# KiCad board central-control-unit.kicad_pcb (continued)
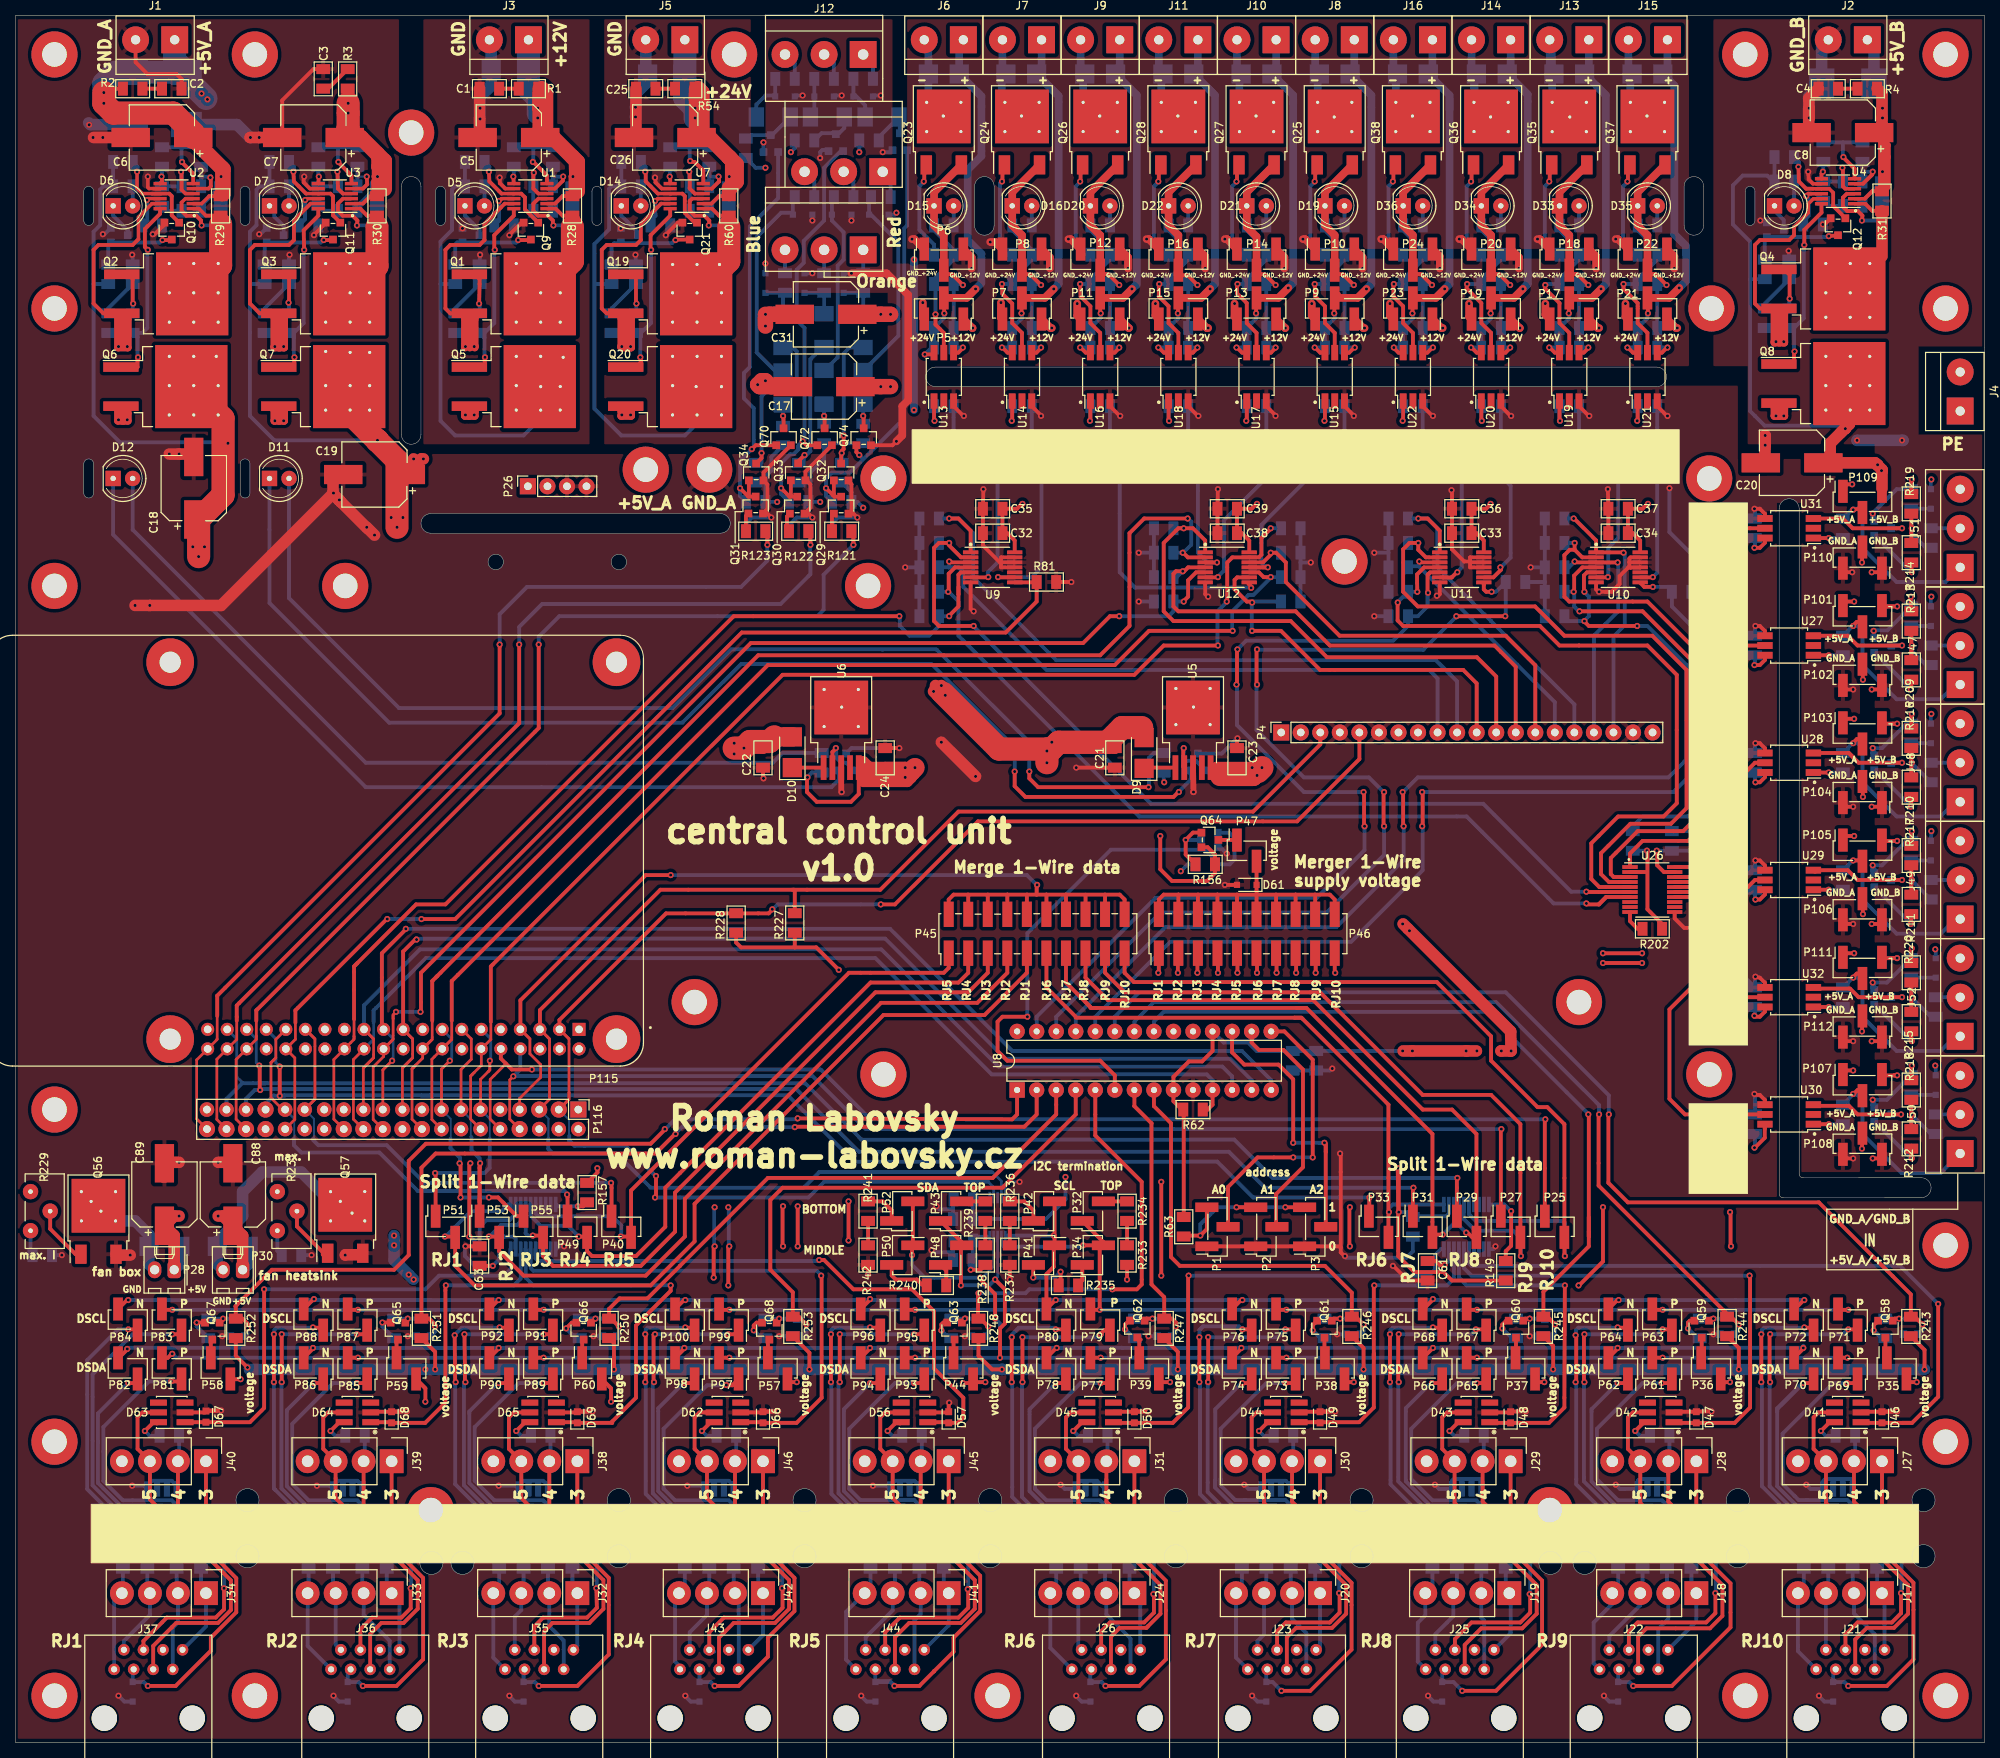
[diagram p0: board, top side]
## Routing (per net, layer and track width the routed paths; a pad name or vN(x,y) marks a point on that pad's centre or on a via; arc(x,y) is an arc through that point) (continued)
GND_B: length 240.2
  Top w0.45: U4.8 233.61,202.65
  Top w0.5: 233.61,202.65 233.05,203.21 v1(232.98,204.22) 233.05,204.22 ; 241.3,152.15 v1(241.24,152.15) 242.04,152.15 P110.1 ; P108.1 242.04,75.95 v1(241.36,75.95) 241.3,75.95 ; P106.1 242.04,106.43 v1(241.24,106.43) 241.3,106.43 ; 241.3,136.91 v1(241.24,136.91) 242.04,136.91 P102.1 ; P104.1 242.04,121.67 v1(241.24,121.67) 241.3,121.67 ; v1(234.89,197.36) 235.1,197.36 Q12.2 ; 241.3,91.19 v1(241.24,91.19) 242.04,91.19 P112.1
  Top w1.5: C8.2 233.05,209.68 233.05,212.47 ; 227.33,169.93 v1(227.39,169.93) v1(227.39,168.66) 227.33,167 227.08,166.75 ; 233.05,211.2 v1(233.11,211.2) v1(233.11,212.47) 233.05,213.74 C4.2
  GND.Cu w0.5: 241.3,106.43 242.57,106.43 243.12,106.98 ; 243.12,137.46 242.57,136.91 241.3,136.91 ; 243.12,91.27 243.04,91.19 241.3,91.19 ; 241.3,121.67 242.57,121.67 243.12,121.11 ; 243.12,75.39 242.57,75.95 241.3,75.95 ; 230.51,193.84 230.51,197.04 ; 243.12,152.7 242.57,152.15 241.3,152.15 ; 233.05,204.22 233.05,205.49
  GND.Cu w1: 226.81,197.86 226.8,197.82 227.74,196.88 227.74,196.82
  GND.Cu w1.5: 243.12,123.02 243.12,121.11 ; 243.12,123.02 243.12,141.91 ; 243.12,123.02 243.12,91.27 ; 243.12,161.12 243.12,163.5 245.11,165.48 245.11,169.29 ; 243.12,161.12 243.12,162.39 ; 243.12,161.12 243.12,141.91 ; 239.4,169.29 227.97,169.29 227.33,169.93 ; 227.33,169.93 227.33,168.66 227.33,169.29 ; 227.33,169.93 226.06,171.2 226.06,192.6 ; 243.12,141.91 243.12,148.35 243.12,145.1 ; 243.12,91.27 243.12,75.39 ; 243.12,91.27 243.12,90.63 ; 232.85,198.12 233.74,199.01 v1(234.89,197.36) ; 232.85,198.12 234.63,199.9 234.63,202.06 233.05,203.65 233.05,204.22 233.13,204.3 233.13,205.5 233.05,205.58 233.05,212.47 ; 232.85,198.12 231.55,196.82 227.74,196.82 226.06,195.14 226.06,192.6 ; 226.06,192.6 226.06,194.5
  Bottom w0.5: C16.2 v1(230.44,193.93) 230.51,193.84 ; 227.58,197.62 Q16.2 227.35,197.87 v1(226.76,197.87) 226.7,197.87 ; 234.95,197.23 234.95,197.42 v1(234.89,197.36)
  Bottom w1.5: 245.11,169.29 245.3,169.29 v1(239.33,169.29) 239.4,169.29 ; J2.2 234.73,220.5 D4.2 233.05,213.97 233.05,211.2
  vias: v1(245.17,169.29)
1WIRE_CELLAR_FIREPLACE_DATA_3V3: length 39.8
  Top w0.25: P51.1 54.61,69.05 ; 61.59,87.38 61.59,88.65
  Top w0.35: P116.11 60.45,86.23 61.44,87.22 ; v1(61.66,88.65) 61.66,87.44 61.44,87.22 ; 61.44,87.22 61.59,87.38
  Top w0.5: 54.61,74.04 v1(54.55,74.04) 54.61,73.98 P51.1
  Bottom w0.25: 61.72,91.55 60.55,92.72 ; 61.63,78.49 61.65,78.51 61.65,81.09 P116.11 61.63,81.12 ; 61.59,88.65 61.72,88.77
  Bottom w0.35: 61.79,88.69 61.79,91.48 60.55,92.72 61.7,91.57 ; v1(61.66,88.65) 61.7,88.69
  Bottom w0.5: 54.61,74.04 60.96,74.04 61.63,74.71 61.63,78.49
1WIRE_CELLAR_FIREPLACE_DATA_5V_CON: length 39.8
  Top w0.5: 21.59,37.04 J40.2 ; J40.2 21.12,30.69 22.8,29.02 v1(22.8,28.96) 22.86,28.96 ; J40.2 21.12,36.88 ; J37.4 16.64,13.21 19.69,16.26 26.03,16.26 27.11,17.34 v1(27.11,20.07) 27.16,20.07 ; 21.41,35.88 21.62,36.08
  Bottom w0.5: 22.86,28.96 27.16,24.66 27.16,20.07 ; R274.2 21.27,36.72 J40.2
1WIRE_CELLAR_FIREPLACE_GND_CON: length 49.5
  Top w0.5: J40.3 15.88,38.19 15.88,42.29 16.51,42.93 D63.5 ; J40.3 16.51,37.55 ; J40.3 17.48,31.61 28.01,21.09 28.01,17.24 26.32,15.56 20.89,15.56 20.32,14.99 20.32,14.98 17.91,12.57 J37.5
1WIRE_CELLAR_FIREPLACE_SUPPLY_5V_CON: length 215.7
  Top w0.5: 90.8,64.52 v1(90.87,64.52) 90.74,64.39 v1(90.74,60.45) ; 17.15,7.37 v1(17.21,7.37) 20.83,7.37 25.4,11.94 25.4,13.64 28.71,16.95 28.71,21.38 24.77,25.32 J40.1 ; P58.2 27.96,47.24 v1(29.27,47.24) ; P46.1 148.59,100.08 ; 29.1,47.27 29.21,47.37
  PWR.Cu w0.5: 29.21,41.66 29.21,37.21 28.57,36.58 J40.1 ; 29.21,41.66 29.21,47.37 ; 29.21,41.66 43.81,41.66 47.85,45.69 59.47,45.69 65.09,51.31 71.25,51.31 73.18,53.24 73.18,57.5 76.18,60.49 90.58,60.49 90.61,60.45 90.65,60.49 90.8,60.49 ; 90.8,69.6 v1(90.87,69.6) 90.87,75.82 115.13,100.08 v1(148.53,100.08) 148.59,100.08
  Bottom w0.5: 15.24,8 15.24,9.4 J37.3 ; 90.8,64.52 90.8,69.6 ; v1(17.21,7.37) 16.7,7.87 D71.1
1WIRE_FIRST_FLOOR_FIREPLACE_DATA_3V3: length 35.5
  Top w0.25: 60.33,70.23 P53.1
  Top w0.35: P116.13 57.91,87.5 59.25,88.84 59.25,91.48 P115.13
  Top w0.5: v1(60.39,75.31) 60.33,74.68 60.33,70.68 ; v1(60.39,75.31) 60.33,75.31 ; v1(60.39,75.31) 60.33,75.25 P53.1 60.33,70.68 ; 60.33,70.68 60.33,70.34
  Bottom w0.25: 59.28,78.71 59.17,78.82 59.17,81.04 P116.13
  Bottom w0.5: 60.33,75.31 60.33,75.95 59.28,76.99 59.28,78.71
1WIRE_FIRST_FLOOR_FIREPLACE_DATA_5V_CON: length 35.9
  Top w0.5: 51.43,20.07 v1(51.37,20.07) 51.37,17.46 50.16,16.25 46.35,16.25 44.83,14.73 J36.4 ; 46.99,28.96 v1(46.93,28.96) 46.93,29.02 45.25,30.69 J39.2 45.25,37.04
  Bottom w0.5: 51.43,20.07 51.43,24.51 46.99,28.96 ; R272.2 45.4,36.72 J39.2
1WIRE_FIRST_FLOOR_FIREPLACE_GND_CON: length 45.1
  Top w0.5: D64.5 40.64,42.93 40,42.29 40,38.19 J39.3 41.61,31.79 52.29,21.12 52.29,17.39 50.45,15.55 47.56,15.55 46.1,14.1 46.1,9.53
1WIRE_FIRST_FLOOR_FIREPLACE_SUPPLY_5V_CON: length 195.9
  Top w0.5: 53.11,46.23 P59.2 ; P59.2 52.17,47.37 ; P59.2 53.28,46.06 v1(53.28,44.32) ; v1(92.65,59.44) 92.65,64.39 v1(92.77,64.52) 92.71,64.52 ; 45.09,7.37 v1(45.15,7.37) 49.53,7.37 52.99,10.82 52.99,21.41 48.89,25.5 J39.1 ; 151.13,100.08 v1(151.07,100.08) 151.07,102.57 P46.3
  PWR.Cu w0.5: 151.13,100.08 151.13,99.44 150.5,98.81 130.18,98.81 ; 53.15,44.2 53.34,44.01 53.34,41.66 ; 92.71,69.6 v1(92.65,69.6) 92.65,75.06 116.4,98.81 128.27,98.81 ; J39.1 51.43,36.58 53.34,38.48 53.34,41.66 ; 130.18,98.81 128.27,98.81 ; 130.18,98.81 128.27,98.81 ; 91.44,59.44 87.01,59.44 80.24,52.67 80.24,49.31 77.56,46.63 74.21,46.63 69.23,41.66 53.34,41.66 ; 91.44,59.44 92.08,59.44 ; 91.44,59.44 v1(92.65,59.44) 92.71,59.44 ; v1(53.28,44.32) 53.28,44.07
  Bottom w0.5: 43.18,8 43.18,9.14 J36.3 ; 92.71,64.52 92.71,69.6 ; v1(45.15,7.37) 44.64,7.87 D72.1
1WIRE_FREE1_DATA_3V3: length 167.4
  Top w0.5: P33.1 v1(175.96,70.87) 175.9,70.87 ; 34.29,88.01 34.35,87.95 34.35,84.11
  Bottom w0.25: 33.78,88.52 34.29,88.01
  Bottom w0.35: 33.85,88.9 33.85,88.52 ; 33.85,88.9 33.85,88.39 v1(34.35,87.88) ; 33.85,88.9 33.85,91.48 P115.33 33.78,91.55
  Bottom w0.5: 52.77,84.14 100.39,84.14 109,75.53 156.18,75.53 160.85,70.87 175.9,70.87 ; 52.77,84.14 54.29,84.14 53.91,84.14 ; 52.77,84.14 34.99,84.14 ; 34.99,84.14 34.35,84.14 ; 34.99,84.14 34.38,84.14 34.35,84.11 v1(34.35,84.07) 33.57,84.11 32.51,83.06 P116.33
1WIRE_FREE1_DATA_5V_CON: length 36.7
  Top w0.5: J26.4 141.1,14.48 142.24,15.62 146.69,15.62 147.96,16.89 147.96,19.24 v1(147.89,19.3) 147.96,19.37 147.96,19.43 ; J31.2 141.78,33.57 ; 143.51,29.59 141.78,31.33 141.78,34.21
  Bottom w0.5: J31.2 141.92,36.72 R269.2 ; 147.96,19.43 147.96,25.21 v1(143.45,29.72)
1WIRE_FREE1_GND_CON: length 45.8
  Top w0.5: 142.37,9.53 142.37,13.78 143.51,14.92 146.97,14.92 ; D45.5 137.16,42.93 136.53,42.29 136.53,38.19 J31.3 138.14,31.16 148.81,20.49 148.81,16.75 147.18,15.13 ; 146.97,14.92 147.18,15.13 ; 146.97,14.92 147.18,15.13
1WIRE_FREE1_SUPPLY_5V_CON: length 168.6
  Top w0.5: 161.29,100.08 v1(161.35,100.08) 161.35,102.57 P46.11 ; v1(148.91,72.9) v1(148.91,60.71) ; 148.7,47.37 148.59,47.27 148.99,46.86 149.92,46.86 ; 141.61,7.37 v1(141.67,7.37) 146.05,7.37 149.51,10.82 149.51,21.06 145.42,25.15 J31.1
  PWR.Cu w0.5: v1(148.91,60.71) 152.34,57.28 152.34,46.61 ; 161.29,100.08 161.29,97.54 163.83,95 181.61,95 182.88,93.73 182.88,75.31 180.56,72.99 148.82,72.99 ; 149.92,46.86 v1(150.05,46.86) 152.08,46.86 152.34,46.61 ; 152.34,46.61 152.34,40.96 147.96,36.58 J31.1
  Bottom w0.5: 139.7,8 139.7,9.4 J26.3 ; v1(141.67,7.37) 141.16,7.87 D55.1
1WIRE_FREE2_DATA_3V3: length 174.4
  Top w0.5: P31.1 181.61,72.07 v1(181.67,72.14) 181.61,72.14 ; 31.75,84.84 31.75,88.01
  Bottom w0.25: 31.24,88.52 31.75,88.01 ; 30.07,92.72 31.24,91.55
  Bottom w0.35: 30.07,92.72 31.29,91.5 31.29,88.41 v1(31.69,88.01)
  Bottom w0.5: 181.61,72.14 162.37,72.14 157.7,76.8 109.63,76.8 101.47,84.96 33.15,84.96 33.53,84.96 31.88,84.96 31.81,84.9 v1(31.81,84.84) 31.11,84.84 29.97,83.69 P116.35
1WIRE_FREE2_DATA_5V_CON: length 39.2
  Top w0.5: J23.4 163.96,14.47 165.1,15.62 170.81,15.62 172.09,16.89 172.09,19.43 ; 165.91,37.21 165.91,31.96 165.91,32.6 165.91,31.33 167.64,29.59
  Bottom w0.5: J30.2 166.05,36.72 R271.2 ; 172.09,19.43 v1(172.02,19.43) 172.09,25.15 172.02,25.15 v1(167.58,29.59)
1WIRE_FREE2_GND_CON: length 47.4
  Top w0.5: D44.5 161.29,42.93 160.66,42.29 160.66,38.19 J30.3 ; 162.27,37.21 162.27,31.16 172.94,20.49 172.94,16.75 171.1,14.92 166.44,14.92 165.23,13.71 J23.5
1WIRE_FREE2_SUPPLY_5V_CON: length 147.9
  Top w0.5: 172.83,47.37 P38.2 173.12,46.86 v1(173.93,46.86) ; 173.36,64.52 173.36,69.6 ; 168.49,36.16 169.55,37.21 ; P46.13 163.89,102.57 v1(163.89,100.08) 163.83,100.08 ; 164.47,6.73 v1(164.53,6.73) 168.28,6.73 173.64,12.09 173.64,20.78 169.55,24.87 J30.1
  PWR.Cu w0.5: 173.36,64.52 v1(173.42,64.52) 173.42,64.45 173.99,63.88 173.99,37.85 172.72,36.58 J30.1 168.69,37.43 ; 173.36,69.6 v1(173.42,69.6) 173.42,69.66 173.77,70.01 183.29,70.01 186.06,72.77 186.06,95 184.79,96.27 164.47,96.27 163.83,96.9 163.83,100.08
  Bottom w0.5: J23.3 162.56,9.4 162.56,8 ; D54.1 163.39,7.87 v1(164.53,6.73)
1WIRE_FREE3_DATA_3V3: length 182
  Top w0.5: P29.1 187.33,73.41
  Bottom w0.35: P115.37 28.77,91.48 28.77,86.55 29.59,85.72
  Bottom w0.5: 31.5,85.72 32.64,85.72 32,85.72 ; 32,85.72 29.46,85.72 27.43,83.69 P116.37 ; 32,85.72 102.62,85.72 109.95,78.39 158.4,78.39 163.39,73.41 v1(187.39,73.41) 187.33,73.41
1WIRE_FREE3_DATA_5V_CON: length 38.3
  Top w0.5: 196.85,19.43 196.85,19.37 v1(196.79,19.3) 196.85,19.24 196.85,16.89 195.58,15.62 189.23,15.62 187.07,13.46 J25.4 ; J29.2 190.67,31.33 192.41,29.59
  Bottom w0.5: J29.2 190.82,36.72 R268.2 ; v1(192.34,29.59) 192.34,29.46 196.85,24.96 196.85,19.43
1WIRE_FREE3_GND_CON: length 47.8
  Top w0.5: J25.5 188.34,12.7 190.5,14.86 195.8,14.86 197.7,16.75 197.7,20.49 187.03,31.16 J29.3 185.42,38.19 185.42,42.29 186.06,42.93 D43.5
1WIRE_FREE3_SUPPLY_5V_CON: length 151.7
  Top w0.5: J29.1 194.31,25.15 198.4,21.06 198.4,12.73 192.41,6.73 v1(188.02,6.73) 187.96,6.73 ; P46.15 166.43,102.57 v1(166.43,100.08) 166.37,100.08 ; 197.59,47.37 P37.2 197.89,46.86 v1(198.69,46.86) ; 203.2,59.44 206.31,62.55 v1(206.31,69.6) 206.38,69.6
  PWR.Cu w0.5: v1(198.69,46.86) 200.98,46.86 201.26,47.15 ; 194.31,37.85 J29.1 197.49,36.58 201.26,40.35 201.26,47.15 ; 203.2,59.44 v1(203.14,59.44) 203.14,59.37 201.26,57.5 201.26,47.15 ; 206.38,69.6 206.38,75.95 201.93,80.39 201.93,85.47 189.87,97.54 167.01,97.54 166.37,98.17 166.37,100.08
  Bottom w0.5: 185.42,8 185.42,9.14 J25.3 ; D53.1 186.88,7.87 v1(188.02,6.73)
1WIRE_FREE4_DATA_3V3: length 154.8
  Top w0.25: 64.36,86.24 64.77,86.65
  Top w0.35: P116.8 64.24,81.04 64.24,86.15 v1(64.71,86.61)
  Top w0.5: 193.04,79.76 193.04,68.43
  Bottom w0.25: 65.41,89.92 65.5,90.01
  Bottom w0.5: 193.04,79.76 v1(193.1,79.76) 110.49,79.76 103.59,86.65 64.77,86.65 65.63,87.51 P115.8
1WIRE_FREE4_DATA_5V_CON: length 41.4
  Top w0.5: J22.4 209.68,14.48 210.82,15.62 219.71,15.62 220.92,16.83 v1(220.92,19.43) 220.98,19.43 ; 216.54,29.59 214.8,31.33 214.8,35.48 ; 214.8,34.84 J28.2
  Bottom w0.5: J28.2 214.95,36.72 R266.2 ; v1(216.47,29.59) 220.41,25.65 ; 220.41,25.65 220.98,25.08 220.98,19.43 ; 220.41,25.65 220.66,25.4
1WIRE_FREE4_GND_CON: length 50.1
  Top w0.5: J22.5 210.88,9.59 210.88,13.77 211.96,14.86 220.22,14.86 221.83,16.47 221.83,20.49 211.16,31.16 J28.3 209.55,38.19 209.55,42.29 210.19,42.93 D42.5
1WIRE_FREE4_SUPPLY_5V_CON: length 169.9
  Top w0.5: 210.19,7.37 v1(210.25,7.37) 215.27,7.37 222.89,14.99 222.89,20.7 218.44,25.15 J28.1 ; 222.89,64.52 222.89,68.96 ; 168.91,100.08 v1(168.97,100.08) 168.97,102.57 P46.17 ; 221.72,47.37 P36.2 222.02,46.86 v1(222.82,46.86) ; 211.46,101.35 v1(211.39,101.35) 206.38,101.35
  PWR.Cu w0.5: 225.49,46.61 225.49,56.39 222.95,58.93 v1(222.95,64.52) ; 225.49,46.61 225.49,40.45 221.62,36.58 J28.1 ; 225.49,46.61 225.23,46.86 v1(222.82,46.86) ; 222.89,68.96 v1(222.82,68.96) 222.82,69.02 211.46,80.39 211.46,101.35 ; 168.91,100.08 168.91,99.44 169.55,98.81 186.69,98.81 189.23,101.35 v1(206.31,101.35) 206.38,101.35
  Bottom w0.5: v1(210.25,7.37) 209.74,7.87 D52.1 ; J22.3 208.28,9.4 208.28,8
1WIRE_FREE5_DATA_3V3: length 162.9
  Top w0.35: P116.10 61.7,81.04 61.7,86.22 63.75,88.26
  Top w0.5: P115.10 63.09,88.93 64.52,87.5 67.06,87.5 ; 198.76,81.03 P25.1
  Bottom w0.5: 198.76,81.03 v1(198.82,81.03) 111.12,81.03 104.65,87.5 v1(67.12,87.5) 67.06,87.5 67.12,87.57
1WIRE_FREE5_DATA_5V_CON: length 36.1
  Top w0.5: 238.93,36.58 238.93,31.33 240.67,29.59 ; 245.11,19.43 v1(245.05,19.43) 245.05,16.83 243.84,15.62 239.4,15.62 237.82,14.05 J21.4
  Bottom w0.5: v1(240.6,29.59) 245.11,25.08 245.11,19.43 ; 238.93,36.58 239.08,36.72 R270.2
1WIRE_FREE5_GND_CON: length 45.7
  Top w0.5: J21.5 239.09,13.41 240.6,14.92 244.13,14.92 245.96,16.75 245.96,20.49 235.29,31.16 J27.3 233.68,38.19 233.68,42.29 234.32,42.93 D41.5
1WIRE_FREE5_SUPPLY_5V_CON: length 188
  Top w0.5: 245.85,47.37 P35.2 246.15,46.86 v1(247.08,46.86) ; 238.12,7.37 v1(238.19,7.37) 243.21,7.37 246.66,10.82 246.66,20.78 242.57,24.87 J27.1 ; P46.19 171.45,100.08 ; 206.38,102.62 v1(211.39,102.62) 211.46,102.62
  PWR.Cu w0.5: 249.87,46.74 249.75,46.86 v1(247.08,46.86) ; 249.87,46.74 246.06,42.93 246.06,37.34 245.3,36.58 J27.1 ; 249.87,46.74 249.87,55.12 244.79,60.2 244.79,68.83 244.03,69.6 224.16,69.6 212.73,81.03 212.73,101.98 212.09,102.62 211.46,102.62 ; 206.38,102.62 v1(206.31,102.62) 187.96,102.62 185.42,100.08 v1(171.51,100.08) 171.45,100.08
  Bottom w0.5: v1(238.19,7.37) 237.68,7.87 D51.1 ; J21.3 236.22,9.19 236.22,8
1WIRE_HOT_WATER_TANK_DATA_3V3: length 61.4
  Top w0.35: 33.76,88.94 33.21,88.39 ; 33.21,88.39 33.85,89.03 33.85,91.42 P115.31 ; 33.21,88.39 33.21,83.82 34.73,82.3 P116.31
  Top w0.5: P49.1 71.75,70.87 v1(71.69,71.25) 71.75,71.31
  Bottom w0.25: 36.23,78.52 36.2,78.49 36.25,78.54 36.25,81.09 P116.31 36.23,81.12
  Bottom w0.5: 36.2,77.85 36.2,78.3 ; 36.2,78.3 36.2,77.66 37.15,76.71 47.31,76.71 52.3,71.72 71.35,71.72 71.75,71.31 ; 36.2,78.3 36.2,78.49
1WIRE_HOT_WATER_TANK_DATA_5V_CON: length 39.8
  Top w0.5: 95.25,28.96 v1(95.19,28.96) 95.19,29.02 93.52,30.69 J46.2 93.52,37.04 ; 99.69,20.07 99.69,17.53 98.42,16.25 92.08,16.25 90.17,14.35 J43.4
  Bottom w0.5: 89.66,11.81 90.8,11.81 ; 99.69,20.07 v1(99.63,20.07) 99.69,24.51 95.25,28.96 ; J46.2 93.66,36.72 R275.2
1WIRE_HOT_WATER_TANK_GND_CON: length 48.8
  Top w0.5: 89.53,42.93 D62.5 88.9,42.93 88.27,42.29 88.27,38.19 J46.3 89.88,31.79 100.55,21.12 100.55,17.39 98.71,15.55 93.34,15.55 91.44,13.65 J43.5
1WIRE_HOT_WATER_TANK_SUPPLY_5V_CON: length 158.8
  Top w0.5: J46.1 97.16,35.31 ; J46.1 97.16,25.5 101.25,21.41 101.25,17.1 97.79,13.64 97.79,11.18 93.98,7.37 v1(90.87,7.37) 90.8,7.37 ; J46.1 97.16,35.94 96.52,35.31 ; v1(101.54,46.86) 100.73,46.86 P57.2 ; v1(101.66,69.72) v1(101.66,64.52) 101.6,64.52 ; 156.21,100.08 v1(156.27,100.08) 156.27,102.57 P46.7
  PWR.Cu w0.5: 101.6,69.6 101.6,69.66 v1(101.66,69.72) 101.6,69.79 101.6,70.87 104.77,74.04 111.32,74.04 121.6,84.33 121.6,91.95 125.92,96.27 154.94,96.27 156.21,97.54 156.21,100.08 ; 97.79,36.58 J46.1 99.69,36.58 101.6,38.48 101.6,64.52
  Bottom w0.5: v1(90.87,7.37) 90.36,7.87 D70.1 ; 88.9,8 J43.3
1WIRE_MERGE_CONNECTION_DATA_3V3: length 141.6
  Top w0.35: 66.8,91.55 P115.7 66.87,91.48 66.87,89.53 68.26,88.14 68.26,86.49 65.53,83.76 P116.7
  Top w0.5: 133.99,110.24 136.53,110.24 ; 133.99,110.24 P45.12 ; 133.99,110.24 132.72,110.24 ; 136.53,110.24 P45.14 ; 136.53,110.24 141.61,110.24 ; P45.16 139.07,110.22 ; 132.72,110.24 132.72,111.51 ; 132.72,110.24 131.45,110.24 ; P115.7 65.63,96.49 81.91,112.78 85.09,112.78 ; 123.83,110.24 121.92,110.24 121.29,109.6 P45.2 ; 123.83,110.24 P45.4 ; 123.83,110.24 128.91,110.24 ; 141.61,110.24 143.51,110.24 144.15,109.6 P45.20 ; 141.61,110.24 P45.18 ; P45.6 126.36,110.24 ; 131.45,110.24 P45.10 ; 131.45,110.24 128.91,110.24 ; 128.91,110.24 P45.8
  Bottom w0.5: 132.72,111.51 v1(132.78,111.51) 132.78,111.44 132.72,111.51 ; 132.72,111.51 131.45,112.78 v1(85.15,112.78) 85.09,112.78
1WIRE_OUTDOOR_SENSOR_DATA_3V3: length 64.9
  Top w0.35: 38.86,91.55 P115.29 38.93,91.48 38.93,83.63 P116.29 38.86,83.57
  Top w0.5: 77.47,72.77 P40.1
  Bottom w0.25: 38.77,78.52 38.73,78.49 38.79,78.54 38.79,81.09 P116.29
  Bottom w0.5: 77.47,72.77 v1(77.41,72.77) 53.15,72.77 48.26,77.66 39.37,77.66 38.73,78.3 38.73,78.49
1WIRE_OUTDOOR_SENSOR_DATA_5V_CON: length 39.6
  Top w0.5: 119.38,28.96 119.44,28.89 v1(119.44,28.96) 119.38,28.96 ; 119.38,28.96 117.64,30.69 J45.2 ; 123.83,20.07 123.83,20 v1(123.76,19.94) 123.83,19.88 123.83,17.53 122.55,16.25 114.94,16.25 113.03,14.35 J44.4
  Bottom w0.5: J45.2 117.79,36.72 R267.2 ; 119.38,28.96 123.83,24.51 123.83,20.07
1WIRE_OUTDOOR_SENSOR_GND_CON: length 49.1
  Top w0.5: D56.5 113.03,42.93 112.39,42.29 112.39,38.19 J45.3 114,31.79 124.68,21.12 124.68,17.39 122.84,15.55 116.14,15.55 114.3,13.72 J44.5
1WIRE_OUTDOOR_SENSOR_SUPPLY_5V_CON: length 167.8
  Top w0.5: P46.9 158.81,102.57 v1(158.81,100.08) 158.75,100.08 ; 119.38,9.27 121.92,11.81 121.92,13.64 125.38,17.1 125.38,21.69 121.29,25.78 J45.1 ; 119.38,9.27 117.48,7.37 v1(114.24,7.37) 114.3,7.37 ; 119.38,9.27 119.38,9.27 ; P44.2 123.93,46.74 v1(123.13,46.74) ; P44.2 124.57,47.37 ; P44.2 124.86,46.86 v1(126.05,46.86) ; v1(108.27,65.28) v1(108.27,70.36)
  PWR.Cu w0.5: J45.1 124.46,36.58 126.05,38.16 v1(126.05,46.86) ; v1(123.13,46.74) 118.11,51.75 118.11,56.9 115.98,59.02 108.81,59.02 108.27,59.56 v1(108.27,65.28) ; v1(108.27,70.36) 109.54,71.63 112.71,71.63 124.14,83.06 124.14,91.31 128.04,95.21 156.43,95.21 158.75,97.54 158.75,100.08
  Bottom w0.5: 114.3,7.37 113.66,8 111.76,8 J44.3 ; D60.1 113.73,7.87 v1(114.24,7.37)
1WIRE_SECOND_FLOOR_FIREPLACE_DATA_3V3: length 42.1
  Top w0.25: 56.52,88.65 55.37,87.5 P116.15
  Top w0.35: v1(56.45,88.65) 55.37,87.57 P116.15
  Top w0.5: 61.59,70.87 62.73,70.87 65.16,68.43 P55.1 ; 57.78,75.31 v1(57.72,75.31) 57.85,75.18 v1(57.85,70.87)
  Bottom w0.25: 56.55,78.52 56.57,78.54 56.57,81.09 P116.15 ; 56.64,91.55 P115.15
  Bottom w0.35: v1(56.45,88.65) 56.71,88.9 56.71,91.06 ; 56.71,91.06 56.71,91.48 P115.15 ; 56.71,91.06 56.71,91.34
  Bottom w0.5: 61.59,70.87 v1(61.53,70.87) v1(57.85,70.87) 57.85,70.84 57.78,70.78 ; 57.78,75.31 57.78,76.01 56.55,77.25 56.55,78.52
1WIRE_SECOND_FLOOR_FIREPLACE_DATA_5V_CON: length 37.7
  Top w0.5: 75.56,20.07 v1(75.5,20.07) 75.56,17.53 74.29,16.25 68.58,16.25 67.44,15.11 J35.4 ; 69.39,37.04 J38.2 69.39,30.69 71.12,28.96
  Bottom w0.5: 71.12,28.96 v1(71.18,28.96) 71.18,28.89 75.56,24.51 75.56,20.07 ; J38.2 69.53,36.72 R273.2
1WIRE_SECOND_FLOOR_FIREPLACE_GND_CON: length 46.8
  Top w0.5: J35.5 68.71,14.47 69.78,15.54 69.78,15.55 74.58,15.55 76.42,17.39 76.42,21.12 65.75,31.79 J38.3 64.14,38.19 64.14,42.29 64.77,42.93 D65.5
1WIRE_SECOND_FLOOR_FIREPLACE_SUPPLY_5V_CON: length 181.8
  Top w0.5: v1(77.41,44.32) 77.41,46.06 76.2,47.27 76.3,47.37 ; J38.1 73.02,25.5 77.12,21.41 77.12,11.46 73.02,7.37 v1(68.01,7.37) 67.94,7.37 ; P46.5 153.61,102.57 v1(153.61,100.08) 153.67,100.08 ; 99.69,64.52 99.69,69.6
  PWR.Cu w0.5: 130.81,97.54 129.73,97.54 ; 130.81,97.54 153.04,97.54 153.67,98.17 153.67,100.08 ; 130.81,97.54 128.91,97.54 129.73,97.54 ; 129.73,97.54 124.02,97.54 119.7,93.22 119.7,84.96 110.05,75.31 103.5,75.31 99.69,71.5 99.69,69.79 v1(99.76,69.72) 99.69,69.66 99.69,69.6 ; v1(99.76,64.52) 100.52,63.75 100.52,50.8 99.25,49.53 94.23,49.53 86.36,41.66 77.47,41.66 ; 73.66,36.58 J38.1 75.56,36.58 77.41,38.42 v1(77.41,44.32)
  Bottom w0.5: v1(68.01,7.37) 67.5,7.87 D73.1 ; 66.04,8 66.04,9.4 J35.3
/1-Wire bus/1WIRE_CELLAR_FIREPLACE_DATA_5V: length 62.2
  Top w0.5: D63.1 D67.1 30.48,41.66 32.32,43.5 v1(32.32,58.93) 32.38,58.93
  Bottom w0.25: 64.36,61.56 64.3,61.51
  Bottom w0.5: 64.36,61.56 U24.20 ; 32.38,58.93 53.28,58.93 55.05,60.71 63.5,60.71 64.3,61.51
/1-Wire bus/1WIRE_CELLAR_FIREPLACE_DATA_OUT_3V3: length 112.9
  Top w0.5: P45.9 131.45,100.08 125.95,94.58 112.81,94.58 88.27,70.04 88.27,65.15 82.55,59.44 59.69,59.44 57.15,61.98 P51.2 57.05,65.79 v1(55.82,65.79) 55.88,65.79
  Bottom w0.5: U24.1 64.05,69.96 63.18,69.09 59.18,69.09 55.88,65.79
/1-Wire bus/1WIRE_FIRST_FLOOR_FIREPLACE_DATA_5V: length 40
  Top w0.5: 55.88,59.44 55.88,44.2 53.25,41.57 D68.1 48.8,41.66 D64.1
  Bottom w0.25: U24.18 65.66,63.5
  Bottom w0.5: 55.88,59.44 64.77,59.44 65.66,60.32 65.66,63.5
  vias: v1(55.94,59.44)
/1-Wire bus/1WIRE_FIRST_FLOOR_FIREPLACE_DATA_OUT_3V3: length 99.4
  Top w0.5: P45.7 128.91,100.08 125,96.17 112.49,96.17 87,70.68 87,65.79 81.91,60.71 66.04,60.71 62.86,63.88 P53.2 62.76,65.79 v1(61.53,65.79) 61.59,65.79
  Bottom w0.5: 61.59,65.79 63.09,67.28 65.18,67.28 65.66,67.75 U24.3
/1-Wire bus/1WIRE_FREE1_DATA_5V: length 64
  Top w0.5: 144.87,41.57 150.41,41.57 152.4,43.56 152.4,60.71 ; 144.87,41.57 D50.1 ; 144.87,41.57 142.79,41.57 D45.1
  Bottom w0.5: U23.20 185.25,64.15 184.47,63.37 184.47,61.47 183.71,60.71 v1(152.46,60.71) 152.4,60.71
/1-Wire bus/1WIRE_FREE1_DATA_OUT_3V3: length 81.2
  Top w0.5: 166.24,94.23 167.01,94.23 ; 166.24,94.23 167.13,94.23 178.44,82.93 P33.2 ; 166.24,94.23 137.8,94.23 ; 137.8,94.36 133.99,98.17 P45.11
  Bottom w0.5: U23.1 179.62,69.96 ; v1(178.5,68.96) 178.5,69.47 178.99,69.96 179.62,69.96 ; 179.62,69.96 179.43,69.96
/1-Wire bus/1WIRE_FREE2_DATA_5V: length 42.9
  Top w0.5: 168.91,41.66 174.62,41.66 176.53,43.56 176.53,50.55 176.53,49.91 176.53,59.44 ; 168.91,41.66 D44.1 ; 168.91,41.66 169.46,41.66 D49.1
  Bottom w0.25: 186.94,64.15 186.94,63.63
  Bottom w0.5: 186.94,63.63 186.94,60.32 186.06,59.44 v1(176.59,59.44) 176.53,59.44
/1-Wire bus/1WIRE_FREE2_DATA_OUT_3V3: length 81.9
  Top w0.5: 139.07,96.27 139.83,95.5 140.46,95.5 ; 139.07,96.27 139.7,95.63 ; 139.07,96.27 136.53,98.81 P45.13 ; v1(185.48,66.04) 184.51,66.04 184.15,65.68 184.15,79.12 167.77,95.5 166.5,95.5 ; 139.7,95.5 140.46,95.5 ; 140.46,95.5 166.5,95.5 ; 166.5,95.5 167.64,95.5
  Bottom w0.5: 186.94,69.96 186.94,67.5 v1(185.48,66.04)
/1-Wire bus/1WIRE_FREE3_DATA_5V: length 45.1
  Top w0.5: 201.3,59.44 v1(201.36,59.44) 201.3,44.83 201.3,43.56 199.3,41.57 D48.1 191.68,41.57 D43.1
  Bottom w0.25: U23.17 187.59,63.51 187.64,63.46
  Bottom w0.5: 201.3,59.44 188.59,59.44 187.59,60.44 U23.17
/1-Wire bus/1WIRE_FREE3_DATA_OUT_3V3: length 83.2
  Top w0.5: 188.59,66.42 189.34,65.68 P29.2 189.87,79.12 186.69,82.3 182.88,82.3 168.66,96.52 166.75,96.52 ; 166.75,96.52 141.99,96.52 139.07,99.44 P45.15 ; 166.75,96.52 168.28,96.52
  Bottom w0.5: U23.4 187.59,67.24 v1(188.53,66.29) 188.4,66.42
/1-Wire bus/1WIRE_FREE4_DATA_5V: length 68.7
  Top w0.5: 217.72,41.57 223.43,41.57 225.43,43.56 225.43,60.71 ; 217.72,41.57 D47.1 ; 217.72,41.57 215.63,41.57 D42.1
  Bottom w0.5: U23.16 188.24,61.7 189.23,60.71 v1(225.36,60.71) 225.43,60.71
/1-Wire bus/1WIRE_FREE4_DATA_OUT_3V3: length 94.5
  Top w0.5: 195.58,63.25 P27.2 195.58,80.39 191.77,84.2 182.88,84.2 169.55,97.54 144.15,97.54 141.61,100.08 P45.17
  Bottom w0.5: U23.5 188.24,68.05 189.74,66.55 194.63,66.55 195.64,65.53 v1(195.64,63.25)
/1-Wire bus/1WIRE_FREE5_DATA_5V: length 89.6
  Top w0.5: 245.21,41.57 D46.1 240.58,41.57 240.49,41.66 D41.1 ; 245.21,41.57 246.48,41.57 249.87,44.96 v1(249.87,57.02) ; 245.21,41.57 246.29,41.57
  Bottom w0.5: U23.15 188.89,62.32 189.23,61.98 244.92,61.98 v1(249.87,57.02)
/1-Wire bus/1WIRE_FREE5_DATA_OUT_3V3: length 110
  Top w0.5: 201.3,63.25 P25.2 201.3,80.39 199.07,82.61 197.8,82.61 191.77,88.65 191.77,91.82 184.72,98.87 145.35,98.87 144.15,100.08 P45.19
  Bottom w0.25: 201.3,63.25 201.3,67.5 200.98,67.82
  Bottom w0.5: U23.6 188.89,68.71 189.78,67.82 200.98,67.82 201.36,67.44 v1(201.36,63.25)
/1-Wire bus/1WIRE_HOT_WATER_TANK_DATA_5V: length 68.5
  Top w0.5: D62.1 97.06,41.66 D66.1 101.51,41.57 104.77,44.83 104.77,60.71
  Bottom w0.25: 66.95,61.7 67.06,61.6
  Bottom w0.5: 67.06,61.6 67.31,61.34 104.14,61.34 104.71,60.77 v1(104.71,60.71) 104.77,60.71 ; U24.16 66.95,61.7
/1-Wire bus/1WIRE_HOT_WATER_TANK_DATA_OUT_3V3: length 83
  Top w0.5: 73.02,65.79 v1(73.22,65.79) 74.19,65.79 P49.2 74.3,63.88 74.93,63.25 80.01,63.25 ; 80.01,63.25 80.64,63.25 84.45,67.06 84.45,72.14 111.12,98.81 122.55,98.81 123.83,100.08 P45.3 ; 80.01,63.25 80.51,63.25
  Bottom w0.5: v1(73.22,65.79) 71.82,67.18 68.26,67.18 66.95,68.49 U24.5
/1-Wire bus/1WIRE_MERGE_CONNECTION_SUPPLY_5V_CON: length 52
  Top w0.5: 163.83,110.24 166.37,110.24 ; 163.83,110.24 161.29,110.24 ; 163.83,110.24 P46.14 ; 166.37,110.24 168.91,110.24 ; 166.37,110.24 P46.16 ; P46.18 168.91,110.24 ; 168.91,110.24 170.82,110.24 171.45,109.6 P46.20 ; 151.13,110.24 149.23,110.24 148.59,109.6 P46.2 ; 151.13,110.24 153.67,110.24 ; 151.13,110.24 P46.4 ; 161.29,110.24 D61.1 P47.2 ; 161.29,110.24 158.75,110.24 ; 161.29,110.24 P46.12 ; 156.21,110.24 158.75,110.24 ; 156.21,110.24 P46.8 ; 156.21,110.24 153.67,110.24 ; 158.75,110.24 P46.10 ; 153.67,110.24 P46.6
/1-Wire bus/1WIRE_OUTDOOR_SENSOR_DATA_5V: length 76.3
  Top w0.5: D56.1 121.2,41.66 D57.1 122.46,41.57 123.19,42.29 123.19,44.83 119.38,48.64 119.38,56.07 116.52,58.93 108.9,58.93 105.09,62.74 v1(104.46,62.74)